# Allegro board RK3588S_Template_LP4XD556P164SD10H2_33X33_2133MHz_H1R0_V10_20220315YWQ.brd (continued)
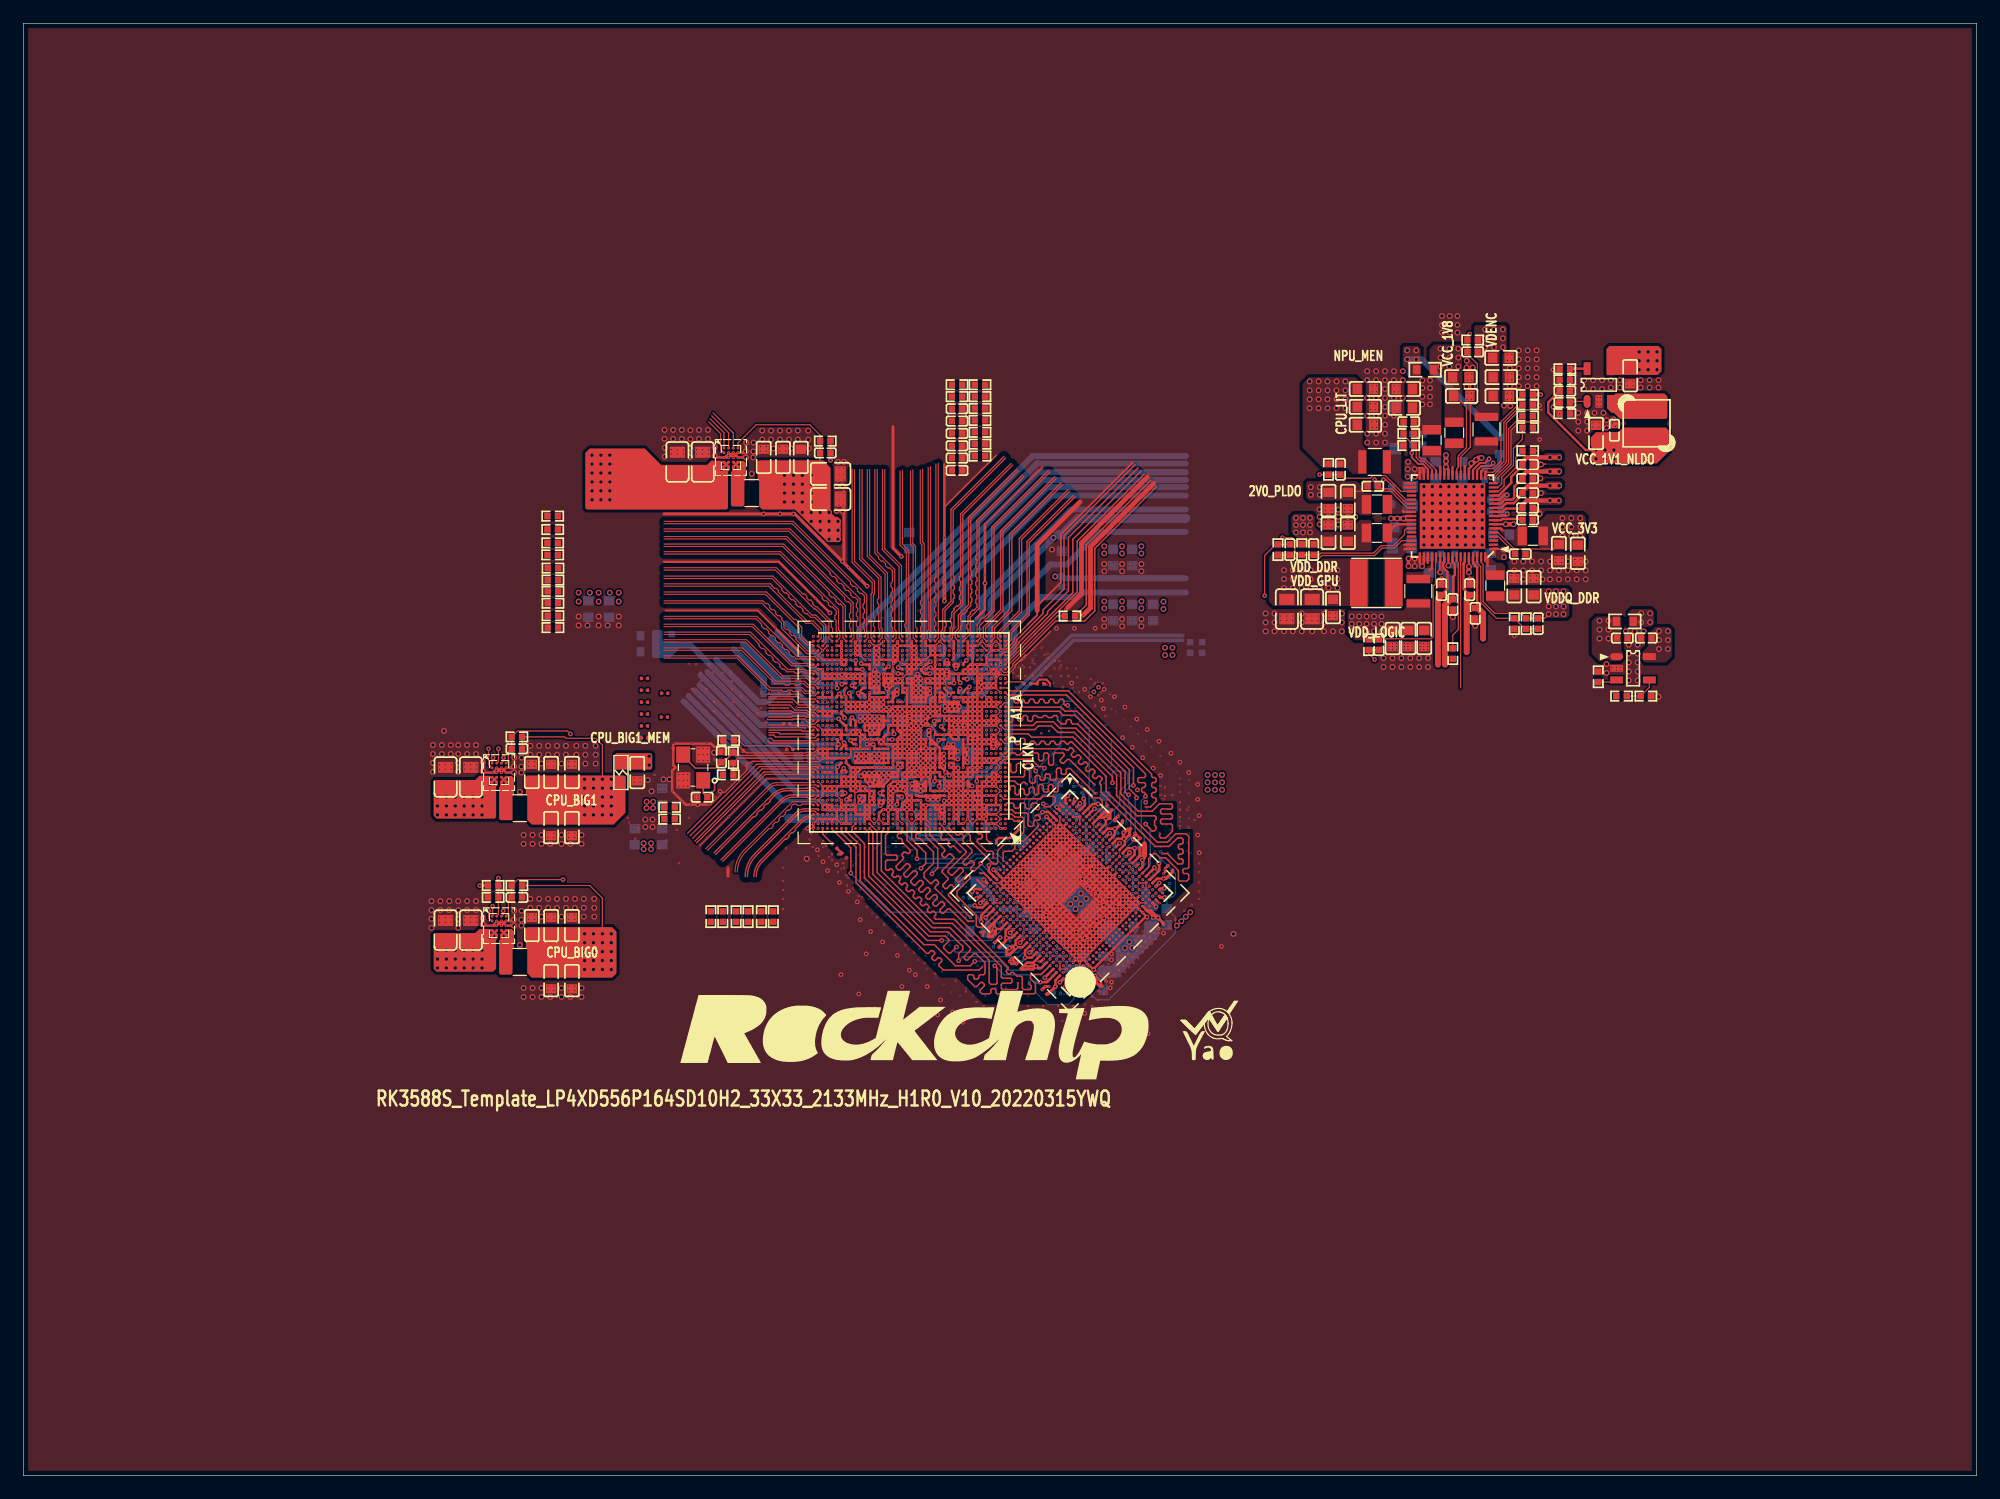
[diagram p0: board, top side]
## Routing (per net, layer and track width the routed paths; a pad name or vN(x,y) marks a point on that pad's centre or on a via; arc(x,y) is an arc through that point) (continued)
VDDA_0V75_S0: length 190
  TOP w0.203: v4(73.91,69.11) 73.84,69.11 73.62,68.9 U1000.AR27 ; v4(71.68,68.88) 71.66,68.9 U1000.AR33 ; C2259.1 127.79,83.69 127.79,83.54 127.33,83.08 126.68,83.08 126.28,82.69 U2200.11 ; U1000.AN10 80.59,68.1 80.64,68.05 v4(80.64,68.05) ; v4(69.52,67.28) 69.49,67.31 69.49,67.72 U1000.AM37 ; U1000.Y26 74.16,62.9 74.17,62.89 v4(74.22,62.89) ; U1000.AN12 79.49,67.73 v4(79.5,67.72) 79.45,67.72 79.43,67.7 U1000.AM13 ; 79.84,69.36 79.55,69.36 U1000.AT12 79.49,69.15 v4(79.68,68.96) 79.89,69.17 U1000.AT11 79.84,69.36
  TOP w0.381: C2259.1 128.07,84.07 128.58,84.58 v5(130.43,84.58) 130.56,84.58 130.57,84.6 130.67,84.6
  TOP w0.508: v5(131.21,84.58) 130.56,84.58
  L3-S1 w0.203: v1(81.09,68.1) 81.09,67.9 v2(81.29,67.71)
  L5-POWER2 w0.203: v4(74.22,62.89) 74.19,62.92 71.22,62.92 70.92,63.22 69.9,63.22 69.6,62.92 68.28,62.92 67.89,63.3 66.47,63.3 66.09,62.92 60.27,62.92 60.2,62.84 v2(60.15,62.84)
  L5-POWER2 w0.381: 78.78,67.82 78.88,67.72 v4(79.5,67.72)
  L5-POWER2 w0.457: 78.78,67.82 78.71,67.82 78.13,68.4 78.13,71.27 78.84,71.98 78.84,73.23 79.5,73.89
  L5-POWER2 w0.508: 79.5,73.89 79.5,76.94 82.7,80.14 v5(88.01,80.14)
  L8-S3 w0.203: v3(60.4,63.04) 60.2,62.84 v2(60.15,62.84) v3(60.15,63.3) ; v3(81.38,68.05) 81.29,67.95 v2(81.29,67.71)
  L8-S3 w0.381: 71.58,70.37 72.15,69.8 72.15,69.27 71.77,68.88 v4(71.68,68.88)
  L8-S3 w0.508: 68.66,75.36 71.58,72.44 71.58,70.37
  BOTTOM w0.102: 79.33,68.67 79.33,68.17 C1711.1 79.32,67.89 v4(79.5,67.72)
  BOTTOM w0.203: v4(69.52,67.28) 69.49,67.31 69.49,67.31 69.29,67.52 C1602.1 C1603.1 68.3,67.56 68.07,67.56
  BOTTOM w0.254: C1103.1 74.24,62.87 v4(74.22,62.89) ; C1507.1 81.31,67.97 v3(81.38,68.05) 81.52,68.19 81.6,68.19
  BOTTOM w0.279: v4(79.68,68.96) 79.56,69.09 C1407.1 79.56,69.76 ; C1611.1 71.24,68.88 v4(71.68,68.88) 71.98,68.58 C1605.1
  BOTTOM w0.305: 81.68,68.27 81.6,68.19
  BOTTOM w0.381: 73.97,71.42 C1613.1 73.97,69.17 v4(73.91,69.11)
  BOTTOM w0.406: v4(80.64,68.05) 81.43,68.83 81.97,68.83 82.62,69.49 ; 83.18,69.47 83.18,69.34 82.11,68.27 81.68,68.27
  BOTTOM w0.457: 83.18,69.47 83.18,69.85 83.95,70.61 ; 82.62,69.49 82.62,70.98
  BOTTOM w0.508: 99.31,86.49 86.61,86.49 73.97,73.84 73.97,71.42 ; 79.56,69.76 80,70.2 80,71.15 80.26,71.42 80.26,76.2 87.81,83.74 99.31,83.74 ; 63.83,71.49 C1113.1 67.75,67.89 68.07,67.56 ; 56.83,66.61 v3(60.15,63.3) v3(60.4,63.04) ; 99.31,80.64 91.95,80.64 89.15,77.85 87.76,77.85 83.95,74.04 83.95,70.61 ; 82.62,70.98 82.62,74.75 v5(88.01,80.14) 88.26,80.39 C1718.1
  BOTTOM w0.762: C1718.1 90.12,81.79 99.31,81.79
VDDA_0V85_S0: length 61.2
  TOP w0.102: U1000.AT18 U1000.AR19
  TOP w0.203: U1000.H36 69.99,58.1 v4(70.21,58.32) 70.02,58.5 U1000.J36 ; U2200.10 125.61,82.35 126.39,82.35 126.67,82.63 128.03,82.63 C2263.1 ; v4(77.45,68.53) 77.44,68.51 77.11,68.51 U1000.AP18 76.99,68.5 76.69,68.8 U1000.AR19 ; v4(77.49,69.55) 77.44,69.55 77.22,69.33 77.12,69.33 U1000.AT18
  TOP w0.381: C2263.1 128.07,82.93 128.45,83.31 v5(130.43,83.31) v5(131.19,83.31)
  BOTTOM w0.305: 77.29,69.55 76.96,69.21 ; 77.29,69.55 v4(77.49,69.55) 76.96,70.08 ; 77.29,69.55 77.26,69.55 C1400.1 ; 76.96,69.21 C1401.1 76.96,68.84 77.27,68.53 v4(77.45,68.53) 77.51,68.58 77.8,68.58 C1402.1 ; 76.96,69.21 C1400.1 ; 76.96,70.08 C1400.1 ; 76.96,70.08 76.96,70.1
  BOTTOM w0.381: v4(70.21,58.32) 70.15,58.26 C1801.1 C1800.1 68.61,58.26 68.58,58.29
  BOTTOM w0.508: 76.96,70.1 76.96,74.93 87.1,85.06 99.31,85.06 ; 68.58,58.29 66.92,58.29 66.15,58.29 57.33,67.11
VDDA_1V2_S0: length 12.1
  TOP w0.152: U2200.57 121.05,78.09 121.02,78.05 121.02,77.22 v5(121.05,77.18)
  L3-S1 w0.203: v1(70.69,68.9) 70.69,69.06 v2(70.51,69.24) 70.29,69.02 v1(70.29,68.9)
  L8-S3 w0.305: v2(70.51,69.24) v3(70.21,69.24)
  BOTTOM w0.254: v3(70.21,69.24) 70.08,69.24 69.85,69.47
  BOTTOM w0.305: 68.25,69.72 68.51,69.47 C1608.1 C1607.1 69.85,69.47
  BOTTOM w0.508: 121.9,75.31 121.9,76.67 121.39,77.18 v5(121.05,77.18) 121.11,77.24 C2250.1 ; 68.25,69.72 65.16,72.82
VDDA_DDR_PLL_S0: length 44.5
  TOP w0.203: U1000.M16 77.89,59.38 v4(77.85,59.33) ; C2258.1 127.38,84.5 127.38,83.57 127.2,83.39 126.55,83.39 126.2,83.04 U2200.12 ; v4(78.41,64.01) 78.41,63.98 U1000.AB14
  TOP w0.381: 130.5,85.79 v5(130.43,85.79) 128.45,85.79 128.07,85.41 C2258.1
  TOP w0.508: 130.5,85.79 v5(131.21,85.79)
  L8-S3 w0.152: 78.88,60.51 78.85,60.47 78.6,60.47 78.49,60.37
  L8-S3 w0.203: 78.88,60.51 79.06,60.69 79.06,61.82 78.81,62.07 78.26,62.07 77.77,62.56 77.77,63.78 78,64.01 v4(78.41,64.01) ; v4(77.85,59.33) 77.95,59.44 77.95,59.83 78.49,60.37
  BOTTOM w0.254: 80.24,59.46 80.16,59.38 77.9,59.38 v4(77.85,59.33)
  BOTTOM w0.279: C1215.1 78.61,64.21 v4(78.41,64.01)
  BOTTOM w0.305: 80.24,59.46 80.97,60.19 82.29,60.19 84.01,61.91 84.01,66.23 89.55,71.78 99.06,71.78 ; C1210.1 77.77,59.26 v4(77.85,59.33)
VDDQ_DDR: length 81.7
  TOP w0.203: U3700.A4 90.67,57.27 90.67,57.75 v4(90.59,57.84) ; U3700.AJ17 85.98,45.26 85.58,44.85 v4(85.58,44.26) 86.15,44.26 U3700.AJ19 ; v4(88.3,57.11) U3700.D1 ; U3700.AF29 90.53,42.44 v4(90.58,42.44) ; U3700.AJ4 82.17,48.77 82.17,48.77 81.95,48.54 81.49,48.54 81.33,48.71 81.29,48.71 v4(81.28,48.71) ; U3700.AJ26 88.18,42.33 v4(88.18,41.78) ; U3700.A19 94.6,52.71 94.61,52.71 94.93,53.04 v4(94.93,53.61) 94.34,53.61 93.93,53.21 U3700.A17 ; U3700.A26 96.86,51.02 v4(97.41,51.02) ; U3700.A11 92.63,55.26 92.63,55.27 v4(93.24,55.27) 93.24,54.75 93.24,54.75 U3700.A13 ; v4(96.77,48.62) 96.77,48.64 U3700.D29 ; U3700.AJ13 84.44,45.95 v4(84.01,45.95) 83.92,46.03 83.92,46.57 84.15,46.79 84.15,46.79 U3700.AJ11 ; v4(82.07,50.9) U3700.AF1
  TOP w0.254: v4(84.01,45.95) 83.92,45.86 83.92,45.69 C3752.1 ; v4(88.18,41.78) 87.54,41.15 C3706.1 ; C3705.1 98.17,51.56 97.62,51.02 v4(97.41,51.02) ; C3704.1 93.9,55.8 93.37,55.27 v4(93.24,55.27)
  L3-S1 w0.152: v1(89.69,55.72) v2(89.69,56.29) v1(89.13,56.29) ; v1(91.67,53.74) v2(91.67,54.31) v1(91.11,54.31) ; v1(86.01,46.96) v2(86.01,46.39) v1(86.58,46.39) ; v1(83.47,49.5) v2(82.9,49.5) v1(82.9,50.07) ; v1(93.37,52.05) v2(93.93,52.05) v1(93.93,51.48) ; v1(89.69,43.28) v2(89.13,43.28) v1(89.13,43.84) ; v1(87.15,45.82) v2(87.15,45.26) v1(87.71,45.26) ; v1(92.24,53.18) v2(92.8,53.18) v1(92.8,52.61) ; v1(85.45,47.52) v2(84.88,47.52) v1(84.88,48.09) ; v1(95.35,50.07) v2(95.91,50.07) v1(95.91,49.5)
  L6-S2 w0.102: v4(94.93,53.61) 94.38,53.61 93.95,53.18 v2(92.8,53.18) 92.8,53.68 93.64,54.52 93.64,54.88 93.44,55.09 93.42,55.09 v4(93.24,55.27) ; 84.64,45.55 84.67,45.57 84.68,45.57 85.48,46.37 85.48,46.39
  L6-S2 w0.152: v4(84.01,45.95) 84.01,45.82 84.28,45.55 84.64,45.55 ; 85.48,46.39 v2(86.01,46.39) 86.01,45.28 85.58,44.84 v4(85.58,44.26)
  L8-S3 w0.102: v3(85.04,47.79) 84.88,47.63 v2(84.88,47.52) 85.03,47.52 v3(85.3,47.79) ; v3(91.17,54.09) 91.2,54.06 91.57,54.06 91.67,54.17 v2(91.67,54.31) 91.56,54.31 v3(91.4,54.15)
  L8-S3 w0.203: v3(95.61,50.16) 95.82,50.16 v2(95.91,50.07) 95.91,50 v3(95.7,49.78) ; v3(93.73,51.82) 93.93,52.02 v2(93.93,52.05)
  L8-S3 w0.254: v3(89.03,43.59) 89.13,43.49 v2(89.13,43.28) 89.34,43.49 v3(89.41,43.49) ; 86.07,46.39 v3(86.33,46.39) ; 86.07,46.39 v2(86.01,46.39) ; 86.07,46.39 v3(86.33,46.64) ; v2(87.15,45.26) 87.15,45.34 v3(87.35,45.54) ; v3(83.11,49.25) 83.11,49.29 v2(82.9,49.5) 82.73,49.33 v3(82.73,49.25) ; v3(92.55,52.87) 92.55,52.92 v2(92.8,53.18) v3(92.8,52.87) ; v3(89.94,56.08) 89.9,56.08 v2(89.69,56.29) 89.87,56.46 v3(90.02,56.46)
  BOTTOM w0.102: v3(92.8,52.87) 92.8,53.05 92.73,53.12 C3712.1 92.51,53.12 92.55,53.08 v3(92.55,52.87) 92.55,52.61 C3707.1 ; 88.77,56.64 89.34,56.64 89.43,56.55 89.53,56.55 ; 88.77,56.64 88.82,56.59 C3703.1 ; 88.77,56.64 v4(88.3,57.11) 88.39,57.2 C3708.1 ; v3(89.41,43.49) 90.12,43.49 90.48,43.13 ; v3(86.33,46.39) 86.14,46.39 86.07,46.46 C3759.1 ; v3(91.17,54.09) 91.17,54.01 91.4,53.78 R3708.1 ; 96.06,48.97 95.7,49.33 v3(95.7,49.78) ; 96.06,48.97 96.06,48.71 96.22,48.55 96.68,48.55 96.75,48.62 v4(96.77,48.62) 96.74,48.65 C3700.1 ; 96.06,48.97 C3702.1 96.06,49.93 95.9,50.09 ; 82.64,49.66 82.64,49.34 v3(82.73,49.25) 82.73,49.17 C3757.1 83.11,49.18 v3(83.11,49.25) 83.05,49.25 82.64,49.66 ; 82.64,49.66 82.64,49.77 C3758.1 82.07,50.34 v4(82.07,50.9) 82.02,50.9 81.85,50.73 C3754.1 ; R3718.1 v3(85.3,47.79) 85.57,48.07 C3761.1 85.85,48.44 C3743.1 87.21,49.52 87.75,48.99 ; C3759.1 86.11,46.64 v3(86.33,46.64) ; C3759.1 C3755.1 ; v4(90.58,42.44) 90.56,42.44 90.55,42.46 90.64,42.55 C3744.1 90.48,43.13 ; 89.53,56.55 89.85,56.55 89.94,56.46 v3(90.02,56.46) 90.21,56.28 90.01,56.08 v3(89.94,56.08) 89.94,56.14 89.53,56.55 ; C3749.1 89.26,43.13 C3751.1 90.48,43.13 ; R3710.1 89.52,52.16 C3701.1 90.36,53.4 90.45,53.4 C3716.1 90.98,53.7 C3715.1
  BOTTOM w0.152: 95.83,50.16 95.9,50.09 ; 95.83,50.16 95.91,50.16 C3709.1 ; 95.83,50.16 v3(95.61,50.16) ; v3(89.03,43.59) 89.03,43.37 C3749.1
  BOTTOM w0.203: C3750.1 85.33,43.91 85.58,44.17 v4(85.58,44.26) ; v3(95.7,49.78) 95.7,49.88 95.9,50.09 ; v3(93.73,51.82) 93.91,51.64 C3710.1 ; v3(89.41,43.49) 89.31,43.49 C3749.1 ; C3745.1 87.56,45.34 v3(87.35,45.54)
  BOTTOM w0.254: v4(97.41,51.02) 97.53,51.13 C3714.1 ; C3756.1 81.23,48.68 81.25,48.71 81.27,48.71 v4(81.28,48.71) ; v4(94.93,53.61) 95.13,53.61 C3711.1 ; C3748.1 88.06,41.67 v4(88.18,41.78) ; C3717.1 90.59,58.18 v4(90.59,57.84) ; C3713.1 93.24,55.17 v4(93.24,55.27) ; v4(84.01,45.95) 84.04,45.95 C3747.1
  vias: v5(89.45,48.84) v5(89.9,49.29) v5(89.9,48.42) v5(90.35,49.74) v5(90.35,48.84) v5(90.8,49.29)
VDDQ_DDR_CK_S0: length 13.2
  TOP w0.203: v4(75.03,58.01) 74.94,58.01 74.85,58.1 U1000.H24 ; U1000.L9 80.69,59.29 ; 80.69,59.29 v4(81.05,58.93) 81.02,58.9 U1000.K9 80.69,59.29
  BOTTOM w0.254: v4(75.03,58.01) 75.08,57.96 75.08,57.18 74.98,57.08 74.98,56.29 R3705.1 76.56,54.71 78.22,54.71 80.18,56.68 C1216.1 80.18,58.19 80.93,58.93 v4(81.05,58.93)
  BOTTOM w0.305: C1213.1 74.88,57.86 v4(75.03,58.01)
VDDQ_DDR_CKE_S3: length 15.1
  TOP w0.203: v4(81.46,59.33) 81.46,59.67 U1000.M7 U1000.M6 ; v4(74.63,57.35) 74.69,57.42 U1000.G24
  BOTTOM w0.254: v4(74.63,57.35) 74.49,57.35 C1212.1 74.55,56.99 74.55,55.63 75.82,54.36 80.14,54.36 80.84,55.06 R3700.1 80.9,55.45 80.9,56.74 81.87,57.72 81.87,58.08 C1211.1 81.48,58.47 81.48,59.31 v4(81.46,59.33)
VDDQ_DDR_S0: length 48.9
  TOP w0.102: v5(130.32,73.6) 129.96,73.24 C2229.1 R2236.1 127.97,73.67 125.72,73.67 124.71,74.68 124.71,77.85 124.55,78.01 U2200.67 ; U1000.H15 78.29,57.9 v4(78.16,57.76)
  TOP w0.178: R1200.2 C1252.1 86.62,67.81 86.82,68.01 87.41,68.01 87.7,67.72 v1(87.7,67.49)
  TOP w0.203: v4(77.7,57.76) 77.7,57.91 U1000.H16 ; v4(77.7,57.76) v4(77.27,57.76) 77.22,57.8 77.22,57.97 U1000.H18 ; v4(77.7,57.76) 78.1,57.76 ; 80.29,61.79 80.42,61.79 80.63,61.99 ; 80.29,61.79 U1000.T10 ; 80.29,61.79 U1000.V10 ; R1203.2 C1251.1 69.92,53.17 69.83,53.09 v1(69.6,53.09) ; v1(80.29,60.5) U1000.R10 ; U1000.R10 80.51,60.9 80.52,60.91 80.6,60.91 80.63,60.93 v4(80.64,60.93) v4(80.64,61.34) ; U1000.R10 U1000.T10 ; 80.29,62.48 U1000.W10 ; 80.29,62.48 U1000.Y10 ; 80.29,62.48 U1000.V10 ; 80.29,62.48 U1000.V10 ; 80.63,61.99 v4(80.66,62.03) 80.62,62.08 80.34,62.08 80.32,62.1 U1000.V10 ; 80.63,61.99 80.63,61.36 v4(80.64,61.34) ; U1000.H18 77.03,58.04 76.5,58.04 76.44,58.1 U1000.H20 ; U1000.H18 U1000.H16 ; 78.1,57.76 v4(78.16,57.76) 78.16,57.95 78.29,58.09 U1000.H15 ; 78.1,57.76 77.89,57.96 U1000.H16 ; U1000.T10 80.51,61.3 80.55,61.34 v4(80.64,61.34) ; U1000.H16 U1000.H15 ; U1000.H15 U1000.H14 ; v1(85.05,55.38) 85.05,55.21 84.33,54.48 83.34,54.48 83.14,54.28 R1202.2
  L2-GND1 w0.127: v4(80.64,60.93) 80.64,60.85 v1(80.29,60.5)
  L2-GND1 w0.305: v4(77.27,57.76) v4(77.7,57.76) v4(78.16,57.76) ; v4(80.64,61.34) v4(80.64,60.93)
  L3-S1 w0.102: v1(69.6,53.09) 69.46,52.95 v2(69.46,52.77)
  L3-S1 w0.203: v2(84.95,55.66) 84.95,55.49 v1(85.05,55.38) ; v1(87.7,67.49) 87.95,67.49 v2(88,67.44)
  L3-S1 w0.254: v2(80.67,60.53) 80.64,60.5 v1(80.29,60.5)
  L3-S1 w0.305: 80.64,60.85 v1(80.29,60.5) ; 80.64,60.85 80.64,60.55 v2(80.67,60.53) ; 80.64,60.85 v4(80.64,60.93) v4(80.64,61.34) ; v4(77.27,57.76) v4(77.7,57.76) v4(78.16,57.76)
  L5-POWER2 w0.203: 76.33,54.1 75.56,53.34 70.87,53.34 70.66,53.54 70.06,53.54 69.46,52.94 v2(69.46,52.77)
  L8-S3 w0.102: v3(85.01,55.37) 84.95,55.44 v2(84.95,55.66) 85.11,55.5 v3(85.22,55.5)
  L8-S3 w0.254: v2(88,67.44) v3(88,67.74) ; v2(80.67,60.53) 80.67,60.55 v3(80.95,60.83)
  L8-S3 w0.305: v4(78.16,57.76) v4(77.7,57.76) v4(77.27,57.76) ; v3(80.95,60.83) 80.95,61.75 v4(80.66,62.03) 80.64,62.01 v4(80.64,61.34) v4(80.64,60.93) 80.64,60.55 v2(80.67,60.53)
  L9-GND3 w0.305: v4(78.16,57.76) v4(77.7,57.76) v4(77.27,57.76) ; v3(80.95,60.83) 80.75,60.83 v4(80.64,60.93) v4(80.64,61.34)
  BOTTOM w0.102: v3(85.22,55.5) 85.09,55.37 85.09,55.22 85.34,54.97 85.34,54.21 R3709.2
  BOTTOM w0.203: v3(82.95,57.28) v3(82.73,57.28) v3(82.5,57.28)
  vias: v2(81.25,56.9) v2(81.25,56.49) v2(81.53,57.28) v2(81.66,56.9) v2(81.66,56.49) v2(82.04,56.64) v3(82.42,56.77) v3(82.42,56.52) v3(82.48,56.99) v3(82.73,57.02) v3(82.73,56.77) v3(82.73,56.52) v3(82.95,57.02) v3(82.95,56.77) v3(82.95,56.52) v5(130.32,75.56) v5(130.32,74.91) v5(130.32,74.26) v5(130.94,75.56) v5(130.94,74.91) v5(130.94,74.26) v5(130.94,73.6) v5(131.59,75.56) v5(131.59,74.91) v5(131.59,74.26) v5(131.59,73.6)
ALPS_INT_L: length 13.3
  TOP w0.102: 57.17,54.45 63.11,60.38 67.61,60.38 U1000.N41
BIG/NPU_EN: length 19
  TOP w0.102: 58.8,90.55 60.25,89.1 U2302.A2
  TOP w0.104: U2300.A2 40.58,47.93 R2303.1 R2302.2 v4(40.58,51.05) ; v4(40.58,62.1) 40.58,61.01 U2301.A2
  L8-S3 w0.102: v4(40.58,51.05) v4(40.58,62.1)
BQ_OTG_EN_H: length 17.9
  L3-S1 w0.076: 77.15,72.8 77.15,72.3 77.59,71.86 77.59,70.6 v1(77.09,70.1)
  L3-S1 w0.102: 77.15,72.8 77.15,73.37 76.91,73.61 76.91,77.63 77.27,77.98 77.27,82.65 76.53,83.38 76.53,87.09
BT_REG_ON_H: length 13.5
  L3-S1 w0.076: v1(68.69,67.3) 68.69,67.27 68.35,66.93 67.15,66.93 66.84,67.23 66.76,67.23 66.22,67.78
  L3-S1 w0.102: 57.36,71.77 62.23,71.77 66.22,67.78
BT_WAKE_HOST_H: length 14
  L3-S1 w0.076: 66.24,65.8 66.72,65.33 68.72,65.33 v1(69.09,65.7)
  L3-S1 w0.102: 66.24,65.8 66.16,65.88 66.1,65.88 61.64,70.35 57.36,70.35
CC_INT0_L: length 13.9
  L3-S1 w0.076: v1(69.09,67.3) 69.09,67.39 69.31,67.61 69.31,67.79 68.9,68.2 67.22,68.2 66.7,68.73 66.7,68.74 66.21,69.23
  L3-S1 w0.102: 66.21,69.23 62.64,72.8 58.05,72.8
CHRG_OK_H: length 13
  L3-S1 w0.076: v1(68.69,67.7) 68.49,67.9 66.97,67.9 66.21,68.66
  L3-S1 w0.102: 66.21,68.66 62.48,72.39 57.64,72.39
DDR_CH0_A0_A: length 32.5
  TOP w0.122: U1000.U1 83.92,61.7 84.33,62.1 88.97,62.1 89.09,61.98 89.24,61.98 89.43,62.17 89.58,62.17 89.73,62.01 89.73,61.86 89.54,61.68 89.54,61.53 89.69,61.38 89.84,61.38 90.03,61.56 90.18,61.56 90.33,61.41 90.33,61.26 90.15,61.07 90.15,60.92 90.3,60.77 90.45,60.77 90.63,60.96 90.79,60.96 90.94,60.81 90.94,60.66 90.75,60.47 90.75,60.32 90.9,60.17 91.05,60.17 91.24,60.36 91.39,60.36 91.54,60.2 91.54,60.05 91.35,59.87 91.35,59.72 91.5,59.56 91.65,59.56 91.84,59.75 91.99,59.75 92.14,59.6 92.14,59.45 91.96,59.26 91.96,59.11 92.07,58.99 92.07,58.38 96.7,53.76 97.89,53.76 98.61,54.48 98.95,54.48 99.08,54.36 99.08,54.07 98.97,53.96 98.79,53.96 98.68,53.85 98.68,53.64 98.79,53.53 98.97,53.53 99.08,53.43 99.08,53.21 98.97,53.11 98.79,53.11 98.68,53 98.68,52.79 98.79,52.68 98.97,52.68 99.08,52.57 99.08,52.37 98.97,52.26 98.62,52.26 97.73,53.15 v1(97.3,53.15)
  L3-S1 w0.064: v1(95.64,50.91) 95.86,50.91 95.95,51 96.05,51 96.14,50.91 96.3,50.91 96.36,50.96 96.36,51.05 96.21,51.2 96.21,51.31 96.29,51.39 96.39,51.39 96.54,51.24 96.64,51.24 97.54,52.14 97.54,52.7 97.3,52.94 v1(97.3,53.15)
DDR_CH0_A0_B: length 17.7
  TOP w0.107: 84.35,61.74 84.03,61.42 83.77,61.42 U1000.U2
  TOP w0.122: 84.35,61.74 84.7,61.74 84.87,61.57 85.12,61.57 85.29,61.74 85.55,61.74 85.72,61.57 85.98,61.57 86.15,61.74 86.63,61.74 86.74,61.64 86.74,61.19 86.84,61.09 87.06,61.09 87.16,61.19 87.16,61.64 87.27,61.74 87.48,61.74 87.59,61.64 87.59,60.81 87.7,60.71 87.91,60.71 88.02,60.81 88.02,61.64 88.12,61.74 88.81,61.74 88.91,61.65 88.91,61.5 88.58,61.17 88.58,61.02 88.74,60.87 88.89,60.87 89.21,61.19 89.36,61.19 v1(91.52,59.04)
  L3-S1 w0.064: v1(91.52,59.04) 91.52,58.82 91.42,58.72 91.33,58.72 91.2,58.86 91.11,58.86 91.02,58.76 91.02,58.67 91.36,58.33 91.36,58.09 91.28,58.01 91.28,57.46 90.54,56.72 v1(90.54,56.01)
DDR_CH0_A1_A: length 29.2
  TOP w0.107: U1000.AC2 83.85,63.74
  TOP w0.122: v4(95.88,55.68) 95.88,55.63 96.43,55.08 96.63,55.08 96.77,55.22 96.77,55.44 96.65,55.57 96.65,55.96 96.77,56.08 96.77,56.26 96.67,56.37 95.14,56.37 93.4,58.1 93.4,59.87 89.77,63.5 88.39,63.5 87.84,64.05 86.73,64.05 86.42,63.74 83.85,63.74
  L3-S1 w0.064: v1(95.06,50.35) 95.06,50.07 94.87,49.87 94.87,49.65 94.59,49.38 v2(94.59,49.12)
  L8-S3 w0.064: v3(94.84,49.35) 94.82,49.35 v2(94.59,49.12)
  BOTTOM w0.122: v4(95.88,55.68) 96.27,55.29 96.27,52.17 95.25,51.15 95.25,49.53 95.07,49.35 v3(94.84,49.35)
DDR_CH0_A1_B: length 15.9
  TOP w0.107: U1000.R2 83.8,61.21 84.2,61.21
  TOP w0.122: v4(87.24,60.45) 87.11,60.58 86.74,60.58 86.11,61.21 84.2,61.21
  L3-S1 w0.064: v2(87.91,55.24) 88.06,55.39 89.15,55.39 89.31,55.23 89.48,55.23 89.69,55.44 v1(89.97,55.44)
  L8-S3 w0.064: v3(87.19,55.25) 87.69,55.74 87.83,55.74 88.01,55.56 88.01,55.35 v2(87.91,55.24)
  BOTTOM w0.122: v3(87.19,55.25) 86.26,56.18 86.26,57.31 87.12,58.16 87.51,58.16 87.63,58.28 87.63,58.53 87.51,58.65 87.12,58.65 86.99,58.77 86.99,59.01 87.12,59.14 87.51,59.14 87.63,59.26 87.63,59.5 87.51,59.62 87.12,59.62 86.99,59.75 86.99,60.07 87.24,60.31 v4(87.24,60.45)
DDR_CH0_A2_A: length 29.1
  TOP w0.122: U1000.AF1 88.49,65.3 88.84,64.96 89.85,64.96 94.48,60.32 94.48,58.68 95.11,58.05 v4(95.11,57.91)
  L3-S1 w0.064: v1(94.22,50.63) 93.98,50.63 93.09,49.73 93.09,49.02 92.93,48.86 v2(92.93,48.32)
  L8-S3 w0.064: v2(92.93,48.32) v3(92.93,48.75)
  BOTTOM w0.122: v4(95.11,57.91) 95,57.8 95,54.36 94.02,53.38 94.02,52.75 93.32,52.06 93.32,50.95 93.68,50.59 93.68,49.5 v3(92.93,48.75)
DDR_CH0_A2_B: length 14.9
  TOP w0.122: v4(86.49,60.2) 86.49,60.32 85.96,60.85 85.74,60.85 85.57,60.68 85.39,60.68 85.22,60.85 84.96,60.85 84.84,60.73 84.84,60.19 84.72,60.07 84.48,60.07 84.36,60.19 84.36,60.78 84.23,60.9 U1000.R1
  L3-S1 w0.064: v2(88.2,54.25) 88.2,54.16 88.94,53.43 89.09,53.43 v1(90.26,54.59)
  L8-S3 w0.066: v2(88.2,54.25) 88.06,54.25 v3(87.92,54.39)
  BOTTOM w0.122: v3(87.92,54.39) 87.54,54.39 85.9,56.03 85.9,57.58 86.61,58.3 86.61,60.08 v4(86.49,60.2)
DDR_CH0_A3_A: length 31.1
  TOP w0.122: U1000.AL2 84.08,67.3 84.33,67.06 89.28,67.06 96.39,59.94 96.39,59.75 96.5,59.64 96.67,59.64 96.77,59.54 96.77,59.32 96.67,59.22 96.5,59.22 96.39,59.11 96.39,58.9 96.5,58.79 96.67,58.79 96.77,58.68 96.77,58.47 96.67,58.36 96.5,58.36 96.39,58.26 96.39,58.04 96.5,57.94 96.67,57.94 96.77,57.83 96.77,57.62 96.29,57.13 v1(95.88,57.13)
  L3-S1 w0.064: v1(94.78,51.79) 94.78,51.86 95.03,52.1 95.03,52.48 95.95,53.4 95.95,54.45 95.5,54.9 95.5,56.52 95.4,56.62 95.31,56.62 95.09,56.39 94.99,56.39 94.9,56.49 94.9,56.58 95.12,56.8 95.12,56.9 94.49,57.53 94.49,57.66 94.76,57.93 94.76,58.04 94.98,58.25 95.29,58.25 95.5,58.04 95.5,57.2 95.68,57.02 95.77,57.02 v1(95.88,57.13)
DDR_CH0_A3_B: length 12.8
  TOP w0.122: U1000.D2 84.47,56.5 84.71,56.26 85.34,56.26 85.46,56.14 85.46,54.98 85.07,54.59 85.07,54.42 85.28,54.21 85.45,54.21 86.69,55.45 v1(86.69,55.63)
  L3-S1 w0.066: v2(86.72,55.97) 86.69,55.94 v1(86.69,55.63) ; v2(91.62,55.37) 91.6,55.37 v1(91.39,55.16)
  L8-S3 w0.064: v2(86.72,55.97) 86.72,55.97 87.29,55.97 87.29,55.97 88.12,55.97 88.19,55.9 88.19,55.69 88.25,55.63 88.39,55.63 88.45,55.69 88.45,55.9 88.52,55.97 88.81,55.97 89.41,55.37 v2(91.62,55.37)
DDR_CH0_A4_A: length 28.2
  TOP w0.122: v4(93.05,59.2) 93.04,59.2 93.04,59.72 89.67,63.1 86.13,63.1 85.85,63.38 84.38,63.38 83.9,62.9 U1000.Y1
  L3-S1 w0.064: v2(92.33,49.91) 92.44,49.8 92.53,49.8 93.93,51.2 v1(94.22,51.2)
  L8-S3 w0.064: v2(92.33,49.91) 92.46,49.78 v3(92.46,49.53)
  BOTTOM w0.122: v4(93.05,59.2) 93.05,60.03 93.22,60.2 94.11,60.2 94.36,59.94 94.36,59.18 93.67,58.5 93.67,57.35 93.22,56.9 93.22,56.13 92.46,55.37 92.46,54.64 92.15,54.34 92.15,51.49 92.58,51.05 92.58,49.66 v3(92.46,49.53)
DDR_CH0_A4_B: length 14.1
  TOP w0.122: v1(86.45,56.34) 86.55,56.43 86.7,56.43 86.86,56.26 86.86,56.11 86.76,56.01 86.42,56.01 86.31,55.9 86.31,55.58 86.2,55.47 85.93,55.47 85.82,55.58 85.82,56.5 85.7,56.62 84.73,56.62 84.45,56.9 U1000.E1
  L3-S1 w0.064: v1(90.82,54.59) 90.81,54.58 90.52,54.58 89.28,53.34 89.28,53.22 89.21,53.16 88.9,53.16 88.79,53.27 88.7,53.27 88.63,53.19 88.54,53.19 88.38,53.35 88.38,53.44 88.46,53.51 88.46,53.6 88.37,53.69 88.28,53.69 88.2,53.62 88.11,53.62 88.02,53.71 88.02,53.79 88.06,53.83 88.06,53.92 87.97,54.01 87.88,54.01 87.84,53.97 87.75,53.97 87.65,54.08 87.65,54.17 87.94,54.46 87.94,54.58 87.88,54.65 87.75,54.65 87.49,54.38 87.4,54.38 86.79,54.99 86.79,55.08 86.86,55.16 86.86,55.25 86.77,55.34 86.68,55.34 86.6,55.27 86.51,55.27 86.36,55.41 86.36,56.25 86.45,56.34 v1(86.45,56.34)
DDR_CH0_A5_A: length 29
  TOP w0.107: U1000.AG2 83.83,66.04
  TOP w0.122: 83.83,66.04 84.12,66.04 84.22,66.15 84.22,66.23 84.33,66.33 84.54,66.33 84.65,66.23 84.65,66.13 84.76,66.02 84.97,66.02 85.08,66.13 85.08,66.23 85.18,66.33 85.4,66.33 85.5,66.23 85.5,66.13 85.61,66.02 85.82,66.02 85.93,66.13 85.93,66.23 86.04,66.33 86.25,66.33 86.36,66.23 86.36,66.13 86.46,66.02 86.68,66.02 86.78,66.13 86.78,66.23 86.89,66.33 87.1,66.33 87.21,66.23 87.21,66.13 87.32,66.02 87.53,66.02 87.64,66.13 87.64,66.23 87.74,66.33 87.96,66.33 88.06,66.23 88.06,66.13 88.17,66.02 88.37,66.02 88.48,66.13 88.48,66.23 88.58,66.33 88.8,66.33 88.9,66.23 88.9,65.92 89.01,65.81 v4(89.22,65.81)
  L3-S1 w0.064: v2(91.82,49.3) 91.83,49.29 92.34,49.29 93.93,50.89 v1(93.93,50.92)
  L8-S3 w0.064: v3(91.49,50.04) 91.49,49.64 v2(91.82,49.3)
  BOTTOM w0.122: v3(91.49,50.04) 91.44,50.08 91.44,51.05 91.78,51.4 91.78,54.81 91.44,55.16 91.44,56.13 91.07,56.51 91.07,63.87 89.22,65.72 v4(89.22,65.81)
DDR_CH0_A5_B: length 16.5
  TOP w0.122: U1000.L1 83.93,59.34 84.68,59.34 84.96,59.05 85.22,59.05 85.4,59.23 85.55,59.23 v1(85.72,59.05)
  L3-S1 w0.064: v1(85.72,59.05) 85.6,59.18 85.47,59.18 85.39,59.09 85.29,59.09 85.23,59.16 85.23,59.25 85.41,59.44 85.72,59.44 86.11,59.05 86.51,59.05 86.6,58.97 86.6,58.85 86.53,58.78 86.32,58.78 86.25,58.72 86.25,58.58 86.32,58.52 86.55,58.52 86.62,58.45 86.62,58.36 86.55,58.29 86.38,58.29 86.23,58.15 86.23,57.96 86.16,57.89 86.16,55.26 88.61,52.81 88.7,52.81 88.83,52.94 88.92,52.94 89.01,52.85 89.01,52.75 88.89,52.63 88.89,52.53 88.99,52.43 89.42,52.43 89.49,52.49 89.49,52.65 89.42,52.72 89.37,52.72 89.31,52.79 89.31,52.92 89.37,52.98 89.42,52.98 89.49,53.05 89.49,53.26 v1(90.54,54.31)
DDR_CH0_CLKN_A: length 31.5
  L3-S1 w0.064: v1(83.89,63.3) 83.99,63.4 85.28,63.4 85.36,63.48 86.56,63.48 86.66,63.38 86.92,63.38 v1(86.97,63.43) 87.02,63.48 87.42,63.48 87.53,63.38 87.73,63.38 87.84,63.48 88.31,63.48 88.42,63.38 88.62,63.38 88.72,63.48 91.2,63.48 92.83,61.85 93.07,61.85 93.67,62.46 93.76,62.46 94.01,62.21 94.01,62.12 93.41,61.52 93.41,61.28 93.75,60.93 93.99,60.93 94.59,61.53 94.69,61.53 94.93,61.29 94.93,61.19 94.33,60.59 94.33,60.35 94.68,60.01 94.92,60.01 95.51,60.61 95.61,60.61 95.85,60.37 95.85,60.27 95.26,59.67 95.26,59.43 95.6,59.09 95.84,59.09 96.44,59.69 96.53,59.69 96.78,59.44 96.78,59.35 96.35,58.92 96.35,58.34 96.9,57.78 96.9,57.58 96.84,57.51 96.58,57.51 96.41,57.34 96.41,56.86 96.58,56.69 96.79,56.69 96.86,56.62 96.86,56.33 96.41,55.89 96.41,52.68 95.8,52.07 95.35,52.07 94.84,51.56 94.84,51.26 v1(94.78,51.2)
DDR_CH0_CLKN_B: length 15.5
  L3-S1 w0.064: v1(90.82,55.16) 90.82,55.44 91.27,55.89 91.27,56.01 91.41,56.15 91.41,56.3 91.55,56.44 91.7,56.44 92.34,57.09 92.34,58.77 92.24,58.88 92.24,59.08 92.34,59.18 92.34,60 90.61,61.73 90.47,61.73 90.32,61.88 90.32,62.02 90.18,62.17 86.46,62.17 86.32,62.04 86.12,62.04 86.02,61.93 85.81,61.93 85.71,62.04 85.51,62.04 85.4,61.93 85.2,61.93 85.09,62.04 84.89,62.04 84.79,61.93 84.58,61.93 84.48,62.04 84.27,62.04 84.16,62.14 83.93,62.14 v1(83.89,62.1)
DDR_CH0_CLKP_A: length 31.7
  L3-S1 w0.064: v1(95.06,51.48) 95.48,51.9 95.87,51.9 96.58,52.61 96.58,55.82 97.03,56.26 97.03,56.7 96.86,56.86 96.65,56.86 96.58,56.93 96.58,57.27 96.65,57.34 96.91,57.34 97.07,57.5 97.07,57.86 96.52,58.41 96.52,58.84 96.95,59.27 96.95,59.51 96.61,59.86 96.37,59.86 95.77,59.26 95.67,59.26 95.43,59.5 95.43,59.6 96.03,60.2 96.03,60.44 95.68,60.78 95.44,60.78 94.84,60.18 94.75,60.18 94.5,60.43 94.5,60.52 95.1,61.12 95.1,61.36 94.76,61.7 94.52,61.7 93.92,61.11 93.82,61.11 93.58,61.35 93.58,61.45 94.18,62.04 94.18,62.28 93.84,62.63 93.6,62.63 92.99,62.03 92.9,62.03 91.28,63.65 87.66,63.65 v1(87.63,63.63) 87.6,63.65 85.29,63.65 85.21,63.57 83.77,63.57 v1(83.49,63.3)
DDR_CH0_CLKP_B: length 15.3
  L3-S1 w0.064: v1(91.11,55.44) 91.11,55.48 91.44,55.81 91.44,55.94 92.52,57.01 92.52,60.07 90.25,62.34 86.39,62.34 86.25,62.21 84.34,62.21 84.23,62.31 83.73,62.31 v1(83.51,62.1)
DDR_CH0_DM0_A: length 35.6